# Altium PCB Board.PcbDoc (part 10 of 15)
Units mil, origin at the board's own origin, x right, y up, seen from the top; angles counter-clockwise.
Board outline 6379.64 x 4143.89 mil, 4 copper layers (Top Layer, GND, VCC, Bottom Layer); 316 components, 199 nets, 1077 pads, 596 vias.
Unrouted connection lines stored in the file: 268.
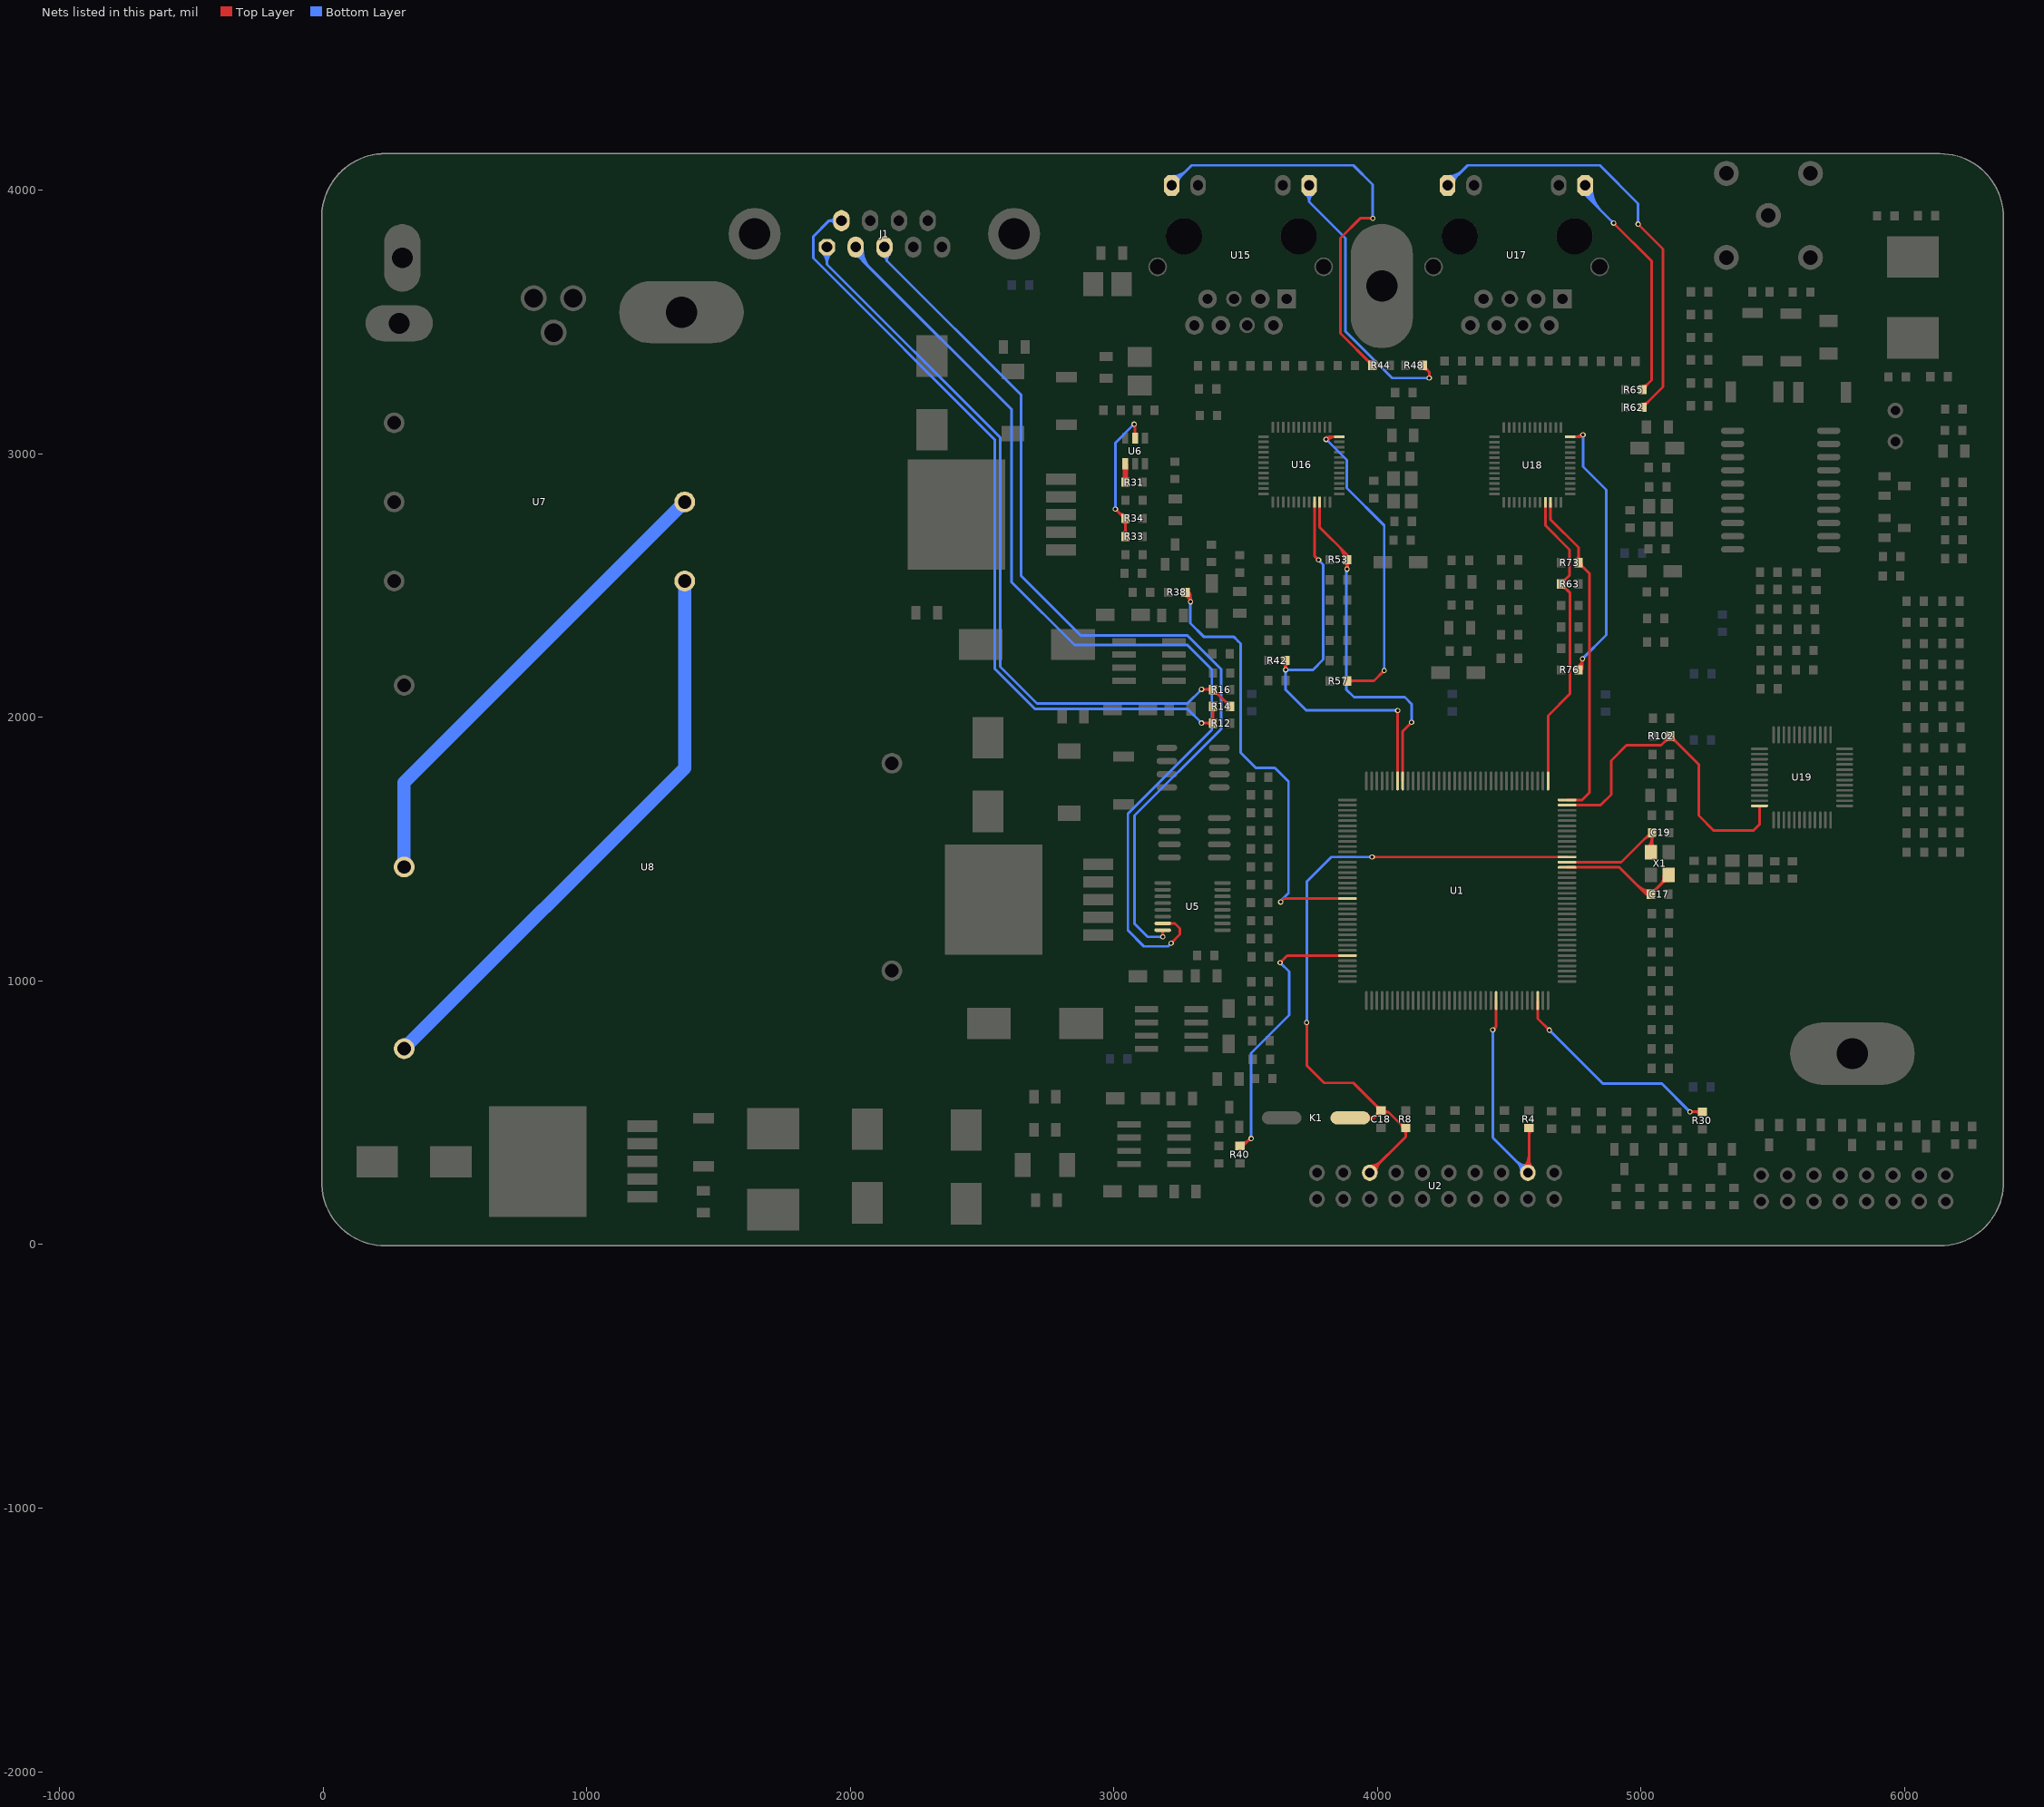
[diagram p11: the nets of this part, all layers, seen from the top]

## Via types
v1: diameter 20, hole 12, Top Layer to Bottom Layer, 590 vias
v2: diameter 30, hole 17, Top Layer to Bottom Layer, 6 vias

## Nets (pads, with @x,y where several pads share a name; then routed paths per layer and width w, separated by ;. In a path a pad name is that pad's centre, name@x,y a point inside that pad or via, vN(x,y) a via of type N, cw(c..) or ccw(c..) an arc to the next point about the centre after c; other vN are vias at no path point) (continued)
NetR30_2: R30.2 U1.142 | length 1190.1
  Top Layer w10: U1.142@4607.72,926.11 4607.72,857.33 v1(4651.6,813.45) ; v1(5185.6,503.45) R30.2@5232.6,503.45 ; 4643.06,821.98 cw(c4634.53,813.45) v1@4646.6,813.45 ; 4643.06,821.98 ccw(c4651.6,830.52) v1@4651.6,818.45 ; 4643.06,821.98 cw(c4634.53,813.45) v1@4646.6,813.45 ; 4643.06,821.98 ccw(c4651.6,830.52) v1@4651.6,818.45 ; 4643.06,821.98 ccw(c4651.6,830.52) v1@4651.6,818.45 ; 4643.06,821.98 cw(c4634.53,813.45) v1@4646.6,813.45 ; v1@5189.13,499.91 cw(c5197.67,491.38) 5197.67,503.45 ; v1@5189.13,499.91 cw(c5197.67,491.38) 5197.67,503.45 ; v1@5189.13,499.91 cw(c5197.67,491.38) 5197.67,503.45 ; v1@5189.13,506.98 ccw(c5197.67,515.52) 5197.67,503.45 ; v1@5189.13,506.98 ccw(c5197.67,515.52) 5197.67,503.45 ; v1@5189.13,506.98 ccw(c5197.67,515.52) 5197.67,503.45 ; 5204.68,503.45 cw(c5204.68,477.5) R30.2@5223.03,495.85 ; 5204.68,503.45 ccw(c5204.68,529.4) R30.2@5223.03,511.05 ; 5204.68,503.45 cw(c5204.68,477.5) R30.2@5223.03,495.85 ; 5204.68,503.45 ccw(c5204.68,529.4) R30.2@5223.03,511.05 ; 5204.68,503.45 ccw(c5204.68,529.4) R30.2@5223.03,511.05 ; 5204.68,503.45 cw(c5204.68,477.5) R30.2@5223.03,495.85
  Bottom Layer w10: v1(4651.6,813.45) 4853.6,611.45 5077.6,611.45 v1(5185.6,503.45) ; v1@4651.6,808.45 cw(c4651.6,796.38) 4660.13,804.91 ; v1@4651.6,808.45 cw(c4651.6,796.38) 4660.13,804.91 ; v1@4651.6,808.45 cw(c4651.6,796.38) 4660.13,804.91 ; v1@4656.6,813.45 ccw(c4668.67,813.45) 4660.13,804.91 ; v1@4656.6,813.45 ccw(c4668.67,813.45) 4660.13,804.91 ; v1@4656.6,813.45 ccw(c4668.67,813.45) 4660.13,804.91 ; 5177.06,511.98 cw(c5168.53,503.45) v1@5180.6,503.45 ; 5177.06,511.98 ccw(c5185.6,520.52) v1@5185.6,508.45 ; 5177.06,511.98 cw(c5168.53,503.45) v1@5180.6,503.45 ; 5177.06,511.98 ccw(c5185.6,520.52) v1@5185.6,508.45 ; 5177.06,511.98 ccw(c5185.6,520.52) v1@5185.6,508.45 ; 5177.06,511.98 cw(c5168.53,503.45) v1@5180.6,503.45
NetR31_2: R31.2 U6.1 | length 69.9
  Top Layer w20: U6.1@3043.2,2962.22 3043.6,2961.82 R31.2@3043.6,2892.45
NetR33_1: R33.1 R34.2 U6.5 | length 1204.2
  Top Layer w10: v1(3005.6,2790.45) 3040.82,2755.23 R34.2@3043.6,2755.23 3043.75,2755.08 R33.1@3043.75,2686.06 ; v1(3076.6,3112.45) 3080.6,3108.45 U6.5@3080.6,3058.68 ; v1@3005.6,2785.45 cw(c3005.6,2773.38) 3014.13,2781.91 ; v1@3005.6,2785.45 cw(c3005.6,2773.38) 3014.13,2781.91 ; v1@3005.6,2785.45 cw(c3005.6,2773.38) 3014.13,2781.91 ; v1@3010.6,2790.45 ccw(c3022.67,2790.45) 3014.13,2781.91 ; v1@3010.6,2790.45 ccw(c3022.67,2790.45) 3014.13,2781.91 ; v1@3010.6,2790.45 ccw(c3022.67,2790.45) 3014.13,2781.91 ; 3017.15,2778.9 ccw(c3043.6,2805.36) R34.2@3043.6,2767.94 ; 3017.15,2778.9 ccw(c3043.6,2805.36) R34.2@3043.6,2767.94 ; 3017.15,2778.9 ccw(c3043.6,2805.36) R34.2@3043.6,2767.94 ; R34.2@3028.61,2767.44 cw(c3018.36,2757.2) R34.2@3032.85,2757.2 ; R34.2@3028.61,2767.44 cw(c3018.36,2757.2) R34.2@3032.85,2757.2 ; R34.2@3028.61,2767.44 cw(c3018.36,2757.2) R34.2@3032.85,2757.2 ; R34.2@3036,2745.66 cw(c3017.29,2726.95) 3043.75,2726.95 ; R34.2@3036,2745.66 cw(c3017.29,2726.95) 3043.75,2726.95 ; R34.2@3036,2745.66 cw(c3017.29,2726.95) 3043.75,2726.95 ; R33.1@3036.15,2695.63 ccw(c3017.8,2713.98) 3043.75,2713.98 ; R33.1@3036.15,2695.63 ccw(c3017.8,2713.98) 3043.75,2713.98 ; R33.1@3036.15,2695.63 ccw(c3017.8,2713.98) 3043.75,2713.98 ; 3043.75,2713.98 ccw(c3069.7,2713.98) R33.1@3051.35,2695.63 ; 3043.75,2713.98 ccw(c3069.7,2713.98) R33.1@3051.35,2695.63 ; 3043.75,2713.98 ccw(c3069.7,2713.98) R33.1@3051.35,2695.63 ; 3043.75,2727.67 cw(c3069.19,2727.67) R34.2@3051.2,2745.66 ; 3043.75,2727.67 cw(c3069.19,2727.67) R34.2@3051.2,2745.66 ; 3043.75,2727.67 cw(c3069.19,2727.67) R34.2@3051.2,2745.66 ; v1@3073.06,3108.91 cw(c3054.87,3090.72) 3080.6,3090.72 ; v1@3073.06,3108.91 cw(c3054.87,3090.72) 3080.6,3090.72 ; v1@3073.06,3108.91 cw(c3054.87,3090.72) 3080.6,3090.72 ; U6.5@3075.78,3072.35 ccw(c3064.16,3083.98) 3080.6,3083.98 ; U6.5@3075.78,3072.35 ccw(c3064.16,3083.98) 3080.6,3083.98 ; U6.5@3075.78,3072.35 ccw(c3064.16,3083.98) 3080.6,3083.98 ; 3080.6,3083.98 ccw(c3097.04,3083.98) U6.5@3085.41,3072.35 ; 3080.6,3083.98 ccw(c3097.04,3083.98) U6.5@3085.41,3072.35 ; 3080.6,3083.98 ccw(c3097.04,3083.98) U6.5@3085.41,3072.35
  Bottom Layer w10: v1(3005.6,2790.45) 3005.6,3041.45 v1(3076.6,3112.45) ; v1@3002.06,2793.98 ccw(c2993.53,2802.52) 3005.6,2802.52 ; v1@3002.06,2793.98 ccw(c2993.53,2802.52) 3005.6,2802.52 ; v1@3002.06,2793.98 ccw(c2993.53,2802.52) 3005.6,2802.52 ; 3005.6,2802.52 ccw(c3017.67,2802.52) v1@3009.13,2793.98 ; 3005.6,2802.52 ccw(c3017.67,2802.52) v1@3009.13,2793.98 ; 3005.6,2802.52 ccw(c3017.67,2802.52) v1@3009.13,2793.98 ; 3068.06,3103.91 cw(c3076.6,3095.38) v1@3076.6,3107.45 ; 3068.06,3103.91 ccw(c3059.53,3112.45) v1@3071.6,3112.45 ; 3068.06,3103.91 cw(c3076.6,3095.38) v1@3076.6,3107.45 ; 3068.06,3103.91 ccw(c3059.53,3112.45) v1@3071.6,3112.45 ; 3068.06,3103.91 ccw(c3059.53,3112.45) v1@3071.6,3112.45 ; 3068.06,3103.91 cw(c3076.6,3095.38) v1@3076.6,3107.45
NetR38_2: R38.2 U1.92 | length 2360.5
  Top Layer w10: R38.2@3271.6,2474.45 3290.6,2455.45 ; R38.2@3272.71,2461.79 cw(c3275,2439.85) 3290.6,2455.45 ; 3286.05,2450.47 ccw(c3296.84,2453.37) v1@3292.53,2443.06 ; v1@3286.27,2440.95 ccw(c3269.57,2450.59) 3288.19,2455.58 ; v1(3290.6,2438.45) 3290.6,2455.45 ; v1(3632.6,1299.45) 3646.07,1312.92 U1.92@3886.26,1312.92 ; R38.2@3268.76,2462.11 cw(c3260.94,2433.51) v1@3290.6,2433.51 ; R38.2@3268.76,2462.11 cw(c3260.94,2433.51) v1@3290.6,2433.51 ; R38.2@3268.76,2462.11 cw(c3260.94,2433.51) v1@3290.6,2433.51 ; R38.2@3271.4,2471.76 cw(c3264.52,2446.61) v1@3290.6,2446.61 ; R38.2@3271.4,2471.76 cw(c3264.52,2446.61) v1@3290.6,2446.61 ; R38.2@3271.4,2471.76 cw(c3264.52,2446.61) v1@3290.6,2446.61 ; R38.2@3274.04,2481.4 cw(c3268.11,2459.71) 3290.6,2459.71 ; R38.2@3274.04,2481.4 cw(c3268.11,2459.71) 3290.6,2459.71 ; R38.2@3274.04,2481.4 cw(c3268.11,2459.71) 3290.6,2459.71 ; R38.2@3282.35,2472.48 ccw(c3303.54,2472.48) 3288.55,2457.49 ; R38.2@3282.35,2472.48 ccw(c3303.54,2472.48) 3288.55,2457.49 ; R38.2@3282.35,2472.48 ccw(c3303.54,2472.48) 3288.55,2457.49 ; v1@3287.06,2441.98 ccw(c3278.53,2450.52) 3290.6,2450.52 ; v1@3287.06,2441.98 ccw(c3278.53,2450.52) 3290.6,2450.52 ; v1@3287.06,2441.98 ccw(c3278.53,2450.52) 3290.6,2450.52 ; 3290.6,2450.52 ccw(c3302.67,2450.52) v1@3294.13,2441.98 ; 3290.6,2450.52 ccw(c3302.67,2450.52) v1@3294.13,2441.98 ; 3290.6,2450.52 ccw(c3302.67,2450.52) v1@3294.13,2441.98 ; v1@3632.6,1304.45 ccw(c3632.6,1316.52) 3641.13,1307.98 ; v1@3632.6,1304.45 ccw(c3632.6,1316.52) 3641.13,1307.98 ; v1@3632.6,1304.45 ccw(c3632.6,1316.52) 3641.13,1307.98 ; v1@3637.6,1299.45 cw(c3649.67,1299.45) 3641.13,1307.98 ; v1@3637.6,1299.45 cw(c3649.67,1299.45) 3641.13,1307.98 ; v1@3637.6,1299.45 cw(c3649.67,1299.45) 3641.13,1307.98 ; R38.2@3272.28,2461.75 cw(c3273.86,2436.75) 3291.58,2454.47 ccw(c3273.86,2436.75) R38.2@3272.28,2461.75
  Bottom Layer w10: v1@3289.6,2438.45 3289.6,2357.45 3340.6,2306.45 3453.95,2306.45 3468.6,2291.8 3468.6,2291.45 3480.6,2279.45 3480.6,1866.45 3538.6,1808.45 3610.6,1808.45 3662.6,1756.45 3662.6,1333.09 3632.6,1303.09 v1(3632.6,1299.45) ; 3289.6,2423.96 cw(c3305.08,2423.96) v1@3294.13,2434.91 ; 3289.6,2423.96 cw(c3305.08,2423.96) v1@3294.13,2434.91 ; 3289.6,2423.96 cw(c3305.08,2423.96) v1@3294.13,2434.91 ; v1@3637.6,1299.45 cw(c3658.47,1299.45) 3643.71,1314.21 ; v1@3637.6,1299.45 cw(c3658.47,1299.45) 3643.71,1314.21 ; v1@3637.6,1299.45 cw(c3658.47,1299.45) 3643.71,1314.21
NetR40_2: R40.2 U1.103 | length 1443.5
  Top Layer w10: R40.2@3478.6,374.45 3489.6,374.45 v1@3512.6,397.45 ; 3509.62,395.73 ccw(c3503.02,407.16) v1@3515.77,403.74 ; 3511,396.53 cw(c3516.47,387.05) v1@3519.3,397.62 ; v1(3630.6,1069.45) 3657.54,1096.39 U1.103@3886.26,1096.39 ; R40.2@3480.6,375.2 ccw(c3481.54,396.39) 3496.54,381.39 ; R40.2@3480.6,375.2 ccw(c3481.54,396.39) 3496.54,381.39 ; R40.2@3480.6,375.2 ccw(c3481.54,396.39) 3496.54,381.39 ; R40.2@3481.04,385.19 ccw(c3482.9,427.15) v1@3512.6,397.45 ; R40.2@3481.04,385.19 ccw(c3482.9,427.15) v1@3512.6,397.45 ; R40.2@3481.04,385.19 ccw(c3482.9,427.15) v1@3512.6,397.45 ; 3506.94,391.79 cw(c3520.6,378.14) v1@3520.6,397.45 ; 3506.94,391.79 cw(c3520.6,378.14) v1@3520.6,397.45 ; 3506.94,391.79 cw(c3520.6,378.14) v1@3520.6,397.45 ; v1@3630.6,1074.45 ccw(c3630.6,1086.52) 3639.13,1077.98 ; v1@3630.6,1074.45 ccw(c3630.6,1086.52) 3639.13,1077.98 ; v1@3630.6,1074.45 ccw(c3630.6,1086.52) 3639.13,1077.98 ; v1@3635.6,1069.45 cw(c3647.67,1069.45) 3639.13,1077.98 ; v1@3635.6,1069.45 cw(c3647.67,1069.45) 3639.13,1077.98 ; v1@3635.6,1069.45 cw(c3647.67,1069.45) 3639.13,1077.98
  Bottom Layer w10: v1(3520.6,402.45) 3520.6,726.45 3664.6,870.45 3664.6,1035.45 v1(3630.6,1069.45) ; v1@3517.06,405.98 ccw(c3508.53,414.52) 3520.6,414.52 ; v1@3517.06,405.98 ccw(c3508.53,414.52) 3520.6,414.52 ; v1@3517.06,405.98 ccw(c3508.53,414.52) 3520.6,414.52 ; 3520.6,414.52 ccw(c3532.67,414.52) v1@3524.13,405.98 ; 3520.6,414.52 ccw(c3532.67,414.52) v1@3524.13,405.98 ; 3520.6,414.52 ccw(c3532.67,414.52) v1@3524.13,405.98 ; v1@3630.6,1064.45 cw(c3630.6,1052.38) 3639.13,1060.91 ; v1@3630.6,1064.45 cw(c3630.6,1052.38) 3639.13,1060.91 ; v1@3630.6,1064.45 cw(c3630.6,1052.38) 3639.13,1060.91 ; v1@3635.6,1069.45 ccw(c3647.67,1069.45) 3639.13,1060.91 ; v1@3635.6,1069.45 ccw(c3647.67,1069.45) 3639.13,1060.91 ; v1@3635.6,1069.45 ccw(c3647.67,1069.45) 3639.13,1060.91
NetR44_1: R44.1 U15.12 | length 2128.7
  Top Layer w10: 3958.89,3357.16 ccw(c3980.6,3378.87) R44.1@3980.6,3348.17 ; 3963.64,3352.4 cw(c3948.65,3337.42) R44.1@3969.85,3337.42 ; v1@3979.06,3889.91 ccw(c3970.53,3881.38) 3970.53,3893.45 ccw(c3970.53,3905.52) v1@3979.06,3896.98 ; R44.1@3980.6,3335.45 3859.6,3456.45 3859.6,3818.45 3934.6,3893.45 v1(3982.6,3893.45)
  Bottom Layer w10: U15.12@3219.33,4018.5 3295.28,4094.45 3908.6,4094.45 3981.6,4021.45 v1@3981.6,3893.45 ; 3981.6,3907.93 ccw(c3997.08,3907.93) v1@3986.13,3896.98 ; U15.12@3219.33,4042.87 ccw(c3219.33,4101.71) 3260.93,4060.11 ; U15.12@3219.33,4042.87 ccw(c3219.33,4101.71) 3260.93,4060.11 ; U15.12@3219.33,4042.87 ccw(c3219.33,4101.71) 3260.93,4060.11 ; U15.12@3219.33,4052.87 ccw(c3219.33,4135.85) 3278,4077.18 ; U15.12@3219.33,4052.87 ccw(c3219.33,4135.85) 3278,4077.18 ; U15.12@3219.33,4052.87 ccw(c3219.33,4135.85) 3278,4077.18 ; U15.12@3243.86,4028.35 cw(c3279.31,4028.35) 3254.24,4053.42 ; U15.12@3243.86,4028.35 cw(c3279.31,4028.35) 3254.24,4053.42 ; U15.12@3243.86,4028.35 cw(c3279.31,4028.35) 3254.24,4053.42
NetR48_1: R48.1 U15.9 | length 1263.5
  Top Layer w10: R48.1@4171.6,3322.73 cw(c4171.6,3292.03) 4193.31,3313.74 ; R48.1@4172.6,3336.45 R48.1@4171.6,3335.45 4196.6,3310.45 v1(4196.6,3287.45) ; R48.1@4182.35,3333.48 ccw(c4203.54,3333.48) 4188.55,3318.49 ; v1@4193.06,3290.98 ccw(c4184.53,3299.52) 4196.6,3299.52 ccw(c4208.67,3299.52) v1@4200.13,3290.98
  Bottom Layer w10: U15.9@3725.22,3989.87 cw(c3696.86,3956.07) 3740.98,3956.07 ; U15.9@3731.65,3997.53 cw(c3714.85,3977.51) 3740.98,3977.51 cw(c3767.12,3977.51) U15.9@3750.32,3997.53 ; U15.9@3740.98,4018.5 3740.98,3956.06 ; U15.9@3756.75,3989.87 ccw(c3785.11,3956.07) 3740.98,3956.07 ; v1@4193.06,3283.91 ccw(c4184.53,3275.38) 4184.53,3287.45 ccw(c4184.53,3299.52) v1@4193.06,3290.98 ; v1(4196.6,3287.45) 4055.6,3287.45 3878.6,3464.45 3878.6,3818.45 3740.98,3956.06
NetR57_2: R57.2 U16.12 | length 1587
  Top Layer w10: v1(3804.6,3054.45) 3815.14,3064.99 U16.12@3855.6,3064.99 ; v1@3804.6,3059.45 ccw(c3804.6,3071.52) 3813.13,3062.98 ccw(c3821.67,3054.45) v1@3809.6,3054.45 ; R57.2@3884.75,2138.45 3986.6,2138.45 v1(4025.6,2177.45) ; R57.2@3892.35,2130.85 cw(c3910.7,2112.5) 3910.7,2138.45 ; R57.2@3892.35,2130.85 cw(c3910.7,2112.5) 3910.7,2138.45 ; R57.2@3892.35,2130.85 cw(c3910.7,2112.5) 3910.7,2138.45 ; R57.2@3892.35,2146.05 ccw(c3910.7,2164.4) 3910.7,2138.45 ; R57.2@3892.35,2146.05 ccw(c3910.7,2164.4) 3910.7,2138.45 ; R57.2@3892.35,2146.05 ccw(c3910.7,2164.4) 3910.7,2138.45 ; 4017.06,2168.91 cw(c4025.6,2160.38) v1@4025.6,2172.45 ; 4017.06,2168.91 ccw(c4008.53,2177.45) v1@4020.6,2177.45 ; 4017.06,2168.91 cw(c4025.6,2160.38) v1@4025.6,2172.45 ; 4017.06,2168.91 ccw(c4008.53,2177.45) v1@4020.6,2177.45 ; 4017.06,2168.91 ccw(c4008.53,2177.45) v1@4020.6,2177.45 ; 4017.06,2168.91 cw(c4025.6,2160.38) v1@4025.6,2172.45 ; v1@3801.06,3057.98 cw(c3817.98,3041.06) 3817.98,3064.99 ccw(c3817.98,3041.06) v1@3801.06,3057.98 ; v1@3808.13,3050.91 cw(c3842.12,3016.92) 3842.12,3064.99 ccw(c3842.12,3016.92) v1@3808.13,3050.91
  Bottom Layer w10: v1(3804.6,3054.45) 3806.13,3054.45 3883.6,2976.98 3883.6,2870.45 4025.6,2728.45 v1(4025.6,2177.45) ; v1@3804.6,3049.45 cw(c3804.6,3033.69) 3815.74,3044.83 ; v1@3804.6,3049.45 cw(c3804.6,3033.69) 3815.74,3044.83 ; v1@3804.6,3049.45 cw(c3804.6,3033.69) 3815.74,3044.83 ; v1@4022.06,2180.98 ccw(c4013.53,2189.52) 4025.6,2189.52 ; v1@4022.06,2180.98 ccw(c4013.53,2189.52) 4025.6,2189.52 ; v1@4022.06,2180.98 ccw(c4013.53,2189.52) 4025.6,2189.52 ; 4025.6,2189.52 ccw(c4037.67,2189.52) v1@4029.13,2180.98 ; 4025.6,2189.52 ccw(c4037.67,2189.52) v1@4029.13,2180.98 ; 4025.6,2189.52 ccw(c4037.67,2189.52) v1@4029.13,2180.98
NetR62_1: R62.1 U17.12 | length 2311.6
  Top Layer w10: v1(4988.6,3871.45) 5082.6,3777.45 5082.6,3253.45 R62.1@5005.6,3176.45 ; v1@4988.6,3866.45 cw(c4988.6,3854.38) 4997.13,3862.91 ; v1@4988.6,3866.45 cw(c4988.6,3854.38) 4997.13,3862.91 ; v1@4988.6,3866.45 cw(c4988.6,3854.38) 4997.13,3862.91 ; v1@4993.6,3871.45 ccw(c5005.67,3871.45) 4997.13,3862.91 ; v1@4993.6,3871.45 ccw(c5005.67,3871.45) 4997.13,3862.91 ; v1@4993.6,3871.45 ccw(c5005.67,3871.45) 4997.13,3862.91 ; R62.1@5005.6,3189.17 ccw(c5005.6,3219.87) 5027.31,3198.16 ; R62.1@5005.6,3189.17 ccw(c5005.6,3219.87) 5027.31,3198.16 ; R62.1@5005.6,3189.17 ccw(c5005.6,3219.87) 5027.31,3198.16 ; R62.1@5016.35,3178.42 cw(c5037.54,3178.42) 5022.55,3193.4 ; R62.1@5016.35,3178.42 cw(c5037.54,3178.42) 5022.55,3193.4 ; R62.1@5016.35,3178.42 cw(c5037.54,3178.42) 5022.55,3193.4
  Bottom Layer w10: U17.12@4266.06,4018.5 4342.01,4094.45 4843.6,4094.45 4988.6,3949.45 v1(4988.6,3871.45) ; U17.12@4266.06,4042.87 ccw(c4266.06,4101.71) 4307.67,4060.11 ; U17.12@4266.06,4042.87 ccw(c4266.06,4101.71) 4307.67,4060.11 ; U17.12@4266.06,4042.87 ccw(c4266.06,4101.71) 4307.67,4060.11 ; U17.12@4266.06,4052.87 ccw(c4266.06,4135.85) 4324.74,4077.18 ; U17.12@4266.06,4052.87 ccw(c4266.06,4135.85) 4324.74,4077.18 ; U17.12@4266.06,4052.87 ccw(c4266.06,4135.85) 4324.74,4077.18 ; U17.12@4290.59,4028.35 cw(c4326.04,4028.35) 4300.97,4053.42 ; U17.12@4290.59,4028.35 cw(c4326.04,4028.35) 4300.97,4053.42 ; U17.12@4290.59,4028.35 cw(c4326.04,4028.35) 4300.97,4053.42 ; v1@4985.06,3874.98 ccw(c4976.53,3883.52) 4988.6,3883.52 ; v1@4985.06,3874.98 ccw(c4976.53,3883.52) 4988.6,3883.52 ; v1@4985.06,3874.98 ccw(c4976.53,3883.52) 4988.6,3883.52 ; 4988.6,3883.52 ccw(c5000.67,3883.52) v1@4992.13,3874.98 ; 4988.6,3883.52 ccw(c5000.67,3883.52) v1@4992.13,3874.98 ; 4988.6,3883.52 ccw(c5000.67,3883.52) v1@4992.13,3874.98
NetR65_1: R65.1 U17.9 | length 1922.6
  Top Layer w10: v1(4895.6,3875.45) 5039.6,3731.45 5039.6,3279.45 5005.6,3245.45 R65.1@5005.6,3243.45 ; v1@4895.6,3870.45 cw(c4895.6,3858.38) 4904.13,3866.91 ; v1@4895.6,3870.45 cw(c4895.6,3858.38) 4904.13,3866.91 ; v1@4895.6,3870.45 cw(c4895.6,3858.38) 4904.13,3866.91 ; v1@4900.6,3875.45 ccw(c4912.67,3875.45) 4904.13,3866.91 ; v1@4900.6,3875.45 ccw(c4912.67,3875.45) 4904.13,3866.91 ; v1@4900.6,3875.45 ccw(c4912.67,3875.45) 4904.13,3866.91 ; R65.1@5005.6,3256.17 ccw(c5005.6,3282.04) 5023.89,3263.74 ; R65.1@5005.6,3256.17 ccw(c5005.6,3282.04) 5023.89,3263.74 ; R65.1@5005.6,3256.17 ccw(c5005.6,3282.04) 5023.89,3263.74 ; R65.1@5016.35,3245.42 cw(c5042.37,3245.42) 5023.97,3263.82 ; R65.1@5016.35,3245.42 cw(c5042.37,3245.42) 5023.97,3263.82 ; R65.1@5016.35,3245.42 cw(c5042.37,3245.42) 5023.97,3263.82
  Bottom Layer w10: U17.9@4787.72,4018.5 4787.72,3983.33 v1(4895.6,3875.45) ; U17.9@4782.24,4008.66 ccw(c4830.18,4008.66) 4796.28,3974.76 ; U17.9@4782.24,4008.66 ccw(c4830.18,4008.66) 4796.28,3974.76 ; U17.9@4782.24,4008.66 ccw(c4830.18,4008.66) 4796.28,3974.76 ; U17.9@4792.24,4008.66 ccw(c4864.33,4008.66) 4813.36,3957.69 ; U17.9@4792.24,4008.66 ccw(c4864.33,4008.66) 4813.36,3957.69 ; U17.9@4792.24,4008.66 ccw(c4864.33,4008.66) 4813.36,3957.69 ; U17.9@4802.24,4008.66 ccw(c4898.47,4008.66) 4830.43,3940.62 ; U17.9@4802.24,4008.66 ccw(c4898.47,4008.66) 4830.43,3940.62 ; U17.9@4802.24,4008.66 ccw(c4898.47,4008.66) 4830.43,3940.62 ; U17.9@4812.24,4008.66 ccw(c4932.61,4008.66) 4847.5,3923.55 ; U17.9@4812.24,4008.66 ccw(c4932.61,4008.66) 4847.5,3923.55 ; U17.9@4812.24,4008.66 ccw(c4932.61,4008.66) 4847.5,3923.55 ; 4887.06,3883.98 cw(c4878.53,3875.45) v1@4890.6,3875.45 ; 4887.06,3883.98 ccw(c4895.6,3892.52) v1@4895.6,3880.45 ; 4887.06,3883.98 cw(c4878.53,3875.45) v1@4890.6,3875.45 ; 4887.06,3883.98 ccw(c4895.6,3892.52) v1@4895.6,3880.45 ; 4887.06,3883.98 ccw(c4895.6,3892.52) v1@4895.6,3880.45 ; 4887.06,3883.98 cw(c4878.53,3875.45) v1@4890.6,3875.45
NetR76_2: R76.2 U18.12 | length 1572.9
  Top Layer w10: U18.12@4731.6,3063.99 4771.14,3063.99 v1(4779.6,3072.45) ; R76.2@4762.6,2180.45 4777.6,2195.45 v1(4777.6,2222.45) ; v1@4773.27,2219.95 cw(c4762.81,2213.91) 4774.47,2210.79 cw(c4786.13,2207.67) v1@4780.1,2218.12 ; R76.2@4758.14,2192.2 ccw(c4744.36,2222.45) v1(4777.6,2222.45) ; R76.2@4758.14,2192.2 ccw(c4744.36,2222.45) v1(4777.6,2222.45) ; R76.2@4758.14,2192.2 ccw(c4744.36,2222.45) v1(4777.6,2222.45) ; R76.2@4762.29,2183.1 ccw(c4751.44,2206.9) 4777.6,2206.9 ; R76.2@4762.29,2183.1 ccw(c4751.44,2206.9) 4777.6,2206.9 ; R76.2@4762.29,2183.1 ccw(c4751.44,2206.9) 4777.6,2206.9 ; R76.2@4766.44,2174 ccw(c4758.53,2191.35) R76.2@4777.6,2191.35 ; R76.2@4766.44,2174 ccw(c4758.53,2191.35) R76.2@4777.6,2191.35 ; R76.2@4766.44,2174 ccw(c4758.53,2191.35) R76.2@4777.6,2191.35 ; v1@4774.06,2218.91 cw(c4765.53,2210.38) 4777.6,2210.38 ; v1@4774.06,2218.91 cw(c4765.53,2210.38) 4777.6,2210.38 ; v1@4774.06,2218.91 cw(c4765.53,2210.38) 4777.6,2210.38 ; 4777.6,2210.38 cw(c4789.67,2210.38) v1@4781.13,2218.91 ; 4777.6,2210.38 cw(c4789.67,2210.38) v1@4781.13,2218.91 ; 4777.6,2210.38 cw(c4789.67,2210.38) v1@4781.13,2218.91 ; U18.12@4747.11,3063.99 ccw(c4747.11,3104.93) 4776.06,3075.98 cw(c4747.11,3104.93) U18.12@4747.11,3063.99 ; 4771.25,3063.99 ccw(c4771.25,3080.79) 4783.13,3068.91 cw(c4771.25,3080.79) 4771.25,3063.99
  Bottom Layer w10: v1(4777.6,2222.45) 4867.6,2312.45 4867.6,2863.45 4779.6,2951.45 v1(4779.6,3072.45) ; v1@4776.06,3068.91 cw(c4767.53,3060.38) 4779.6,3060.38 ; v1@4776.06,3068.91 cw(c4767.53,3060.38) 4779.6,3060.38 ; v1@4776.06,3068.91 cw(c4767.53,3060.38) 4779.6,3060.38 ; v1@4777.6,2227.45 ccw(c4777.6,2239.52) 4786.13,2230.98 ; v1@4777.6,2227.45 ccw(c4777.6,2239.52) 4786.13,2230.98 ; v1@4777.6,2227.45 ccw(c4777.6,2239.52) 4786.13,2230.98 ; 4779.6,3060.38 cw(c4791.67,3060.38) v1@4783.13,3068.91 ; 4779.6,3060.38 cw(c4791.67,3060.38) v1@4783.13,3068.91 ; 4779.6,3060.38 cw(c4791.67,3060.38) v1@4783.13,3068.91 ; v1@4782.6,2222.45 cw(c4794.67,2222.45) 4786.13,2230.98 ; v1@4782.6,2222.45 cw(c4794.67,2222.45) 4786.13,2230.98 ; v1@4782.6,2222.45 cw(c4794.67,2222.45) 4786.13,2230.98
NetU7_4: U7.4 U8.3 | length 2214.8
  Bottom Layer w50: U8.3@307.6,743.47 1371.96,1807.83 U7.4@1371.96,2517.45
NetU7_5: U7.5 U8.2 | length 1825.9
  Bottom Layer w50: U8.2@307.6,1432.45 307.6,1753.09 U7.5@1371.96,2817.45
NRST: C18.2 K1.2 R8.1 U1.25 U2.15 | length 3984.7
  Top Layer w10: v1(3731.6,842.45) 3731.6,679.45 3797.6,613.45 3908.6,613.45 C18.2@4013.6,508.45 3984.6,479.45 ; K1.2@3840.6,480.45 K1.2@3896.6,480.45 3897.6,479.45 3984.6,479.45 ; U2.15@3970.6,272.45 4107.1,408.95 R8.1@4107.1,437.45 ; v1(3979.65,1470.4) U1.25@4718.94,1470.4 ; C18.2@4014.6,502.45 4042.1,502.45 ; R8.1@4107.1,442.45 R8.1@4107.1,437.45 ; R8.1@4108.1,436.45 R8.1@4107.1,437.45 ; v1@3728.06,838.91 cw(c3719.53,830.38) 3731.6,830.38 ; v1@3728.06,838.91 cw(c3719.53,830.38) 3731.6,830.38 ; v1@3728.06,838.91 cw(c3719.53,830.38) 3731.6,830.38 ; 3731.6,830.38 cw(c3743.67,830.38) v1@3735.13,838.91 ; 3731.6,830.38 cw(c3743.67,830.38) v1@3735.13,838.91 ; 3731.6,830.38 cw(c3743.67,830.38) v1@3735.13,838.91 ; K1.2@3962.6,468.45 cw(c3984.6,451.95) 3984.6,479.45 ; K1.2@3962.6,468.45 cw(c3984.6,451.95) 3984.6,479.45 ; K1.2@3962.6,468.45 cw(c3984.6,451.95) 3984.6,479.45 ; K1.2@3963.53,491.09 ccw(c3984.6,504.33) 3984.6,479.45 ; K1.2@3963.53,491.09 ccw(c3984.6,504.33) 3984.6,479.45 ; K1.2@3963.53,491.09 ccw(c3984.6,504.33) 3984.6,479.45 ; U2.15@3970.6,288.45 ccw(c3970.6,327.08) 3997.91,299.76 ; U2.15@3970.6,288.45 ccw(c3970.6,327.08) 3997.91,299.76 ; U2.15@3970.6,288.45 ccw(c3970.6,327.08) 3997.91,299.76 ; U2.15@3970.6,298.45 ccw(c3970.6,361.22) 4014.98,316.83 ; U2.15@3970.6,298.45 ccw(c3970.6,361.22) 4014.98,316.83 ; U2.15@3970.6,298.45 ccw(c3970.6,361.22) 4014.98,316.83 ; v1@3983.18,1466.87 cw(c3991.72,1458.33) 3991.72,1470.4 ; v1@3983.18,1466.87 cw(c3991.72,1458.33) 3991.72,1470.4 ; v1@3983.18,1466.87 cw(c3991.72,1458.33) 3991.72,1470.4 ; v1@3983.18,1473.94 ccw(c3991.72,1482.47) 3991.72,1470.4 ; v1@3983.18,1473.94 ccw(c3991.72,1482.47) 3991.72,1470.4 ; v1@3983.18,1473.94 ccw(c3991.72,1482.47) 3991.72,1470.4 ; U2.15@3985.13,273.92 cw(c4016.64,273.92) 3994.36,296.21 ; U2.15@3985.13,273.92 cw(c4016.64,273.92) 3994.36,296.21 ; U2.15@3985.13,273.92 cw(c4016.64,273.92) 3994.36,296.21 ; 3991.89,486.74 ccw(c3970.18,508.45) C18.2@4000.88,508.45 ; 3991.89,486.74 ccw(c3970.18,508.45) C18.2@4000.88,508.45 ; 3991.89,486.74 ccw(c3970.18,508.45) C18.2@4000.88,508.45 ; 3991.89,530.16 cw(c3970.18,508.45) C18.2@4000.88,508.45 ; 3991.89,530.16 cw(c3970.18,508.45) C18.2@4000.88,508.45 ; 3991.89,530.16 cw(c3970.18,508.45) C18.2@4000.88,508.45 ; U2.15@3995.13,273.92 cw(c4050.79,273.92) 4011.43,313.28 ; U2.15@3995.13,273.92 cw(c4050.79,273.92) 4011.43,313.28 ; U2.15@3995.13,273.92 cw(c4050.79,273.92) 4011.43,313.28 ; 3996.64,491.49 cw(c4011.63,476.51) C18.2@4011.63,497.7 ; 3996.64,491.49 cw(c4011.63,476.51) C18.2@4011.63,497.7 ; 3996.64,491.49 cw(c4011.63,476.51) C18.2@4011.63,497.7 ; 3996.64,525.4 ccw(c4011.63,540.39) C18.2@4011.63,519.2 ; 3996.64,525.4 ccw(c4011.63,540.39) C18.2@4011.63,519.2 ; 3996.64,525.4 ccw(c4011.63,540.39) C18.2@4011.63,519.2 ; C18.2@4025.27,513.07 ccw(c4042.1,521.09) 4042.1,502.45 ; C18.2@4025.27,513.07 ccw(c4042.1,521.09) 4042.1,502.45 ; C18.2@4025.27,513.07 ccw(c4042.1,521.09) 4042.1,502.45 ; 4042.1,502.45 R8.1@4107.1,437.45 ; 4081.61,462.94 ccw(c4105.13,486.46) R8.1@4105.13,453.2 ; 4081.61,462.94 ccw(c4105.13,486.46) R8.1@4105.13,453.2 ; 4081.61,462.94 ccw(c4105.13,486.46) R8.1@4105.13,453.2 ; 4088.93,455.62 cw(c4075.75,442.45) R8.1@4094.38,442.45 ; 4088.93,455.62 cw(c4075.75,442.45) R8.1@4094.38,442.45 ; 4088.93,455.62 cw(c4075.75,442.45) R8.1@4094.38,442.45 ; R8.1@4099.5,434.85 cw(c4081.15,416.5) 4107.1,416.5 ; R8.1@4099.5,434.85 cw(c4081.15,416.5) 4107.1,416.5 ; R8.1@4099.5,434.85 cw(c4081.15,416.5) 4107.1,416.5 ; 4107.1,416.5 cw(c4133.05,416.5) R8.1@4114.7,434.85 ; 4107.1,416.5 cw(c4133.05,416.5) R8.1@4114.7,434.85 ; 4107.1,416.5 cw(c4133.05,416.5) R8.1@4114.7,434.85